# KiCad board 5x5x2.kicad_pcb (continued)
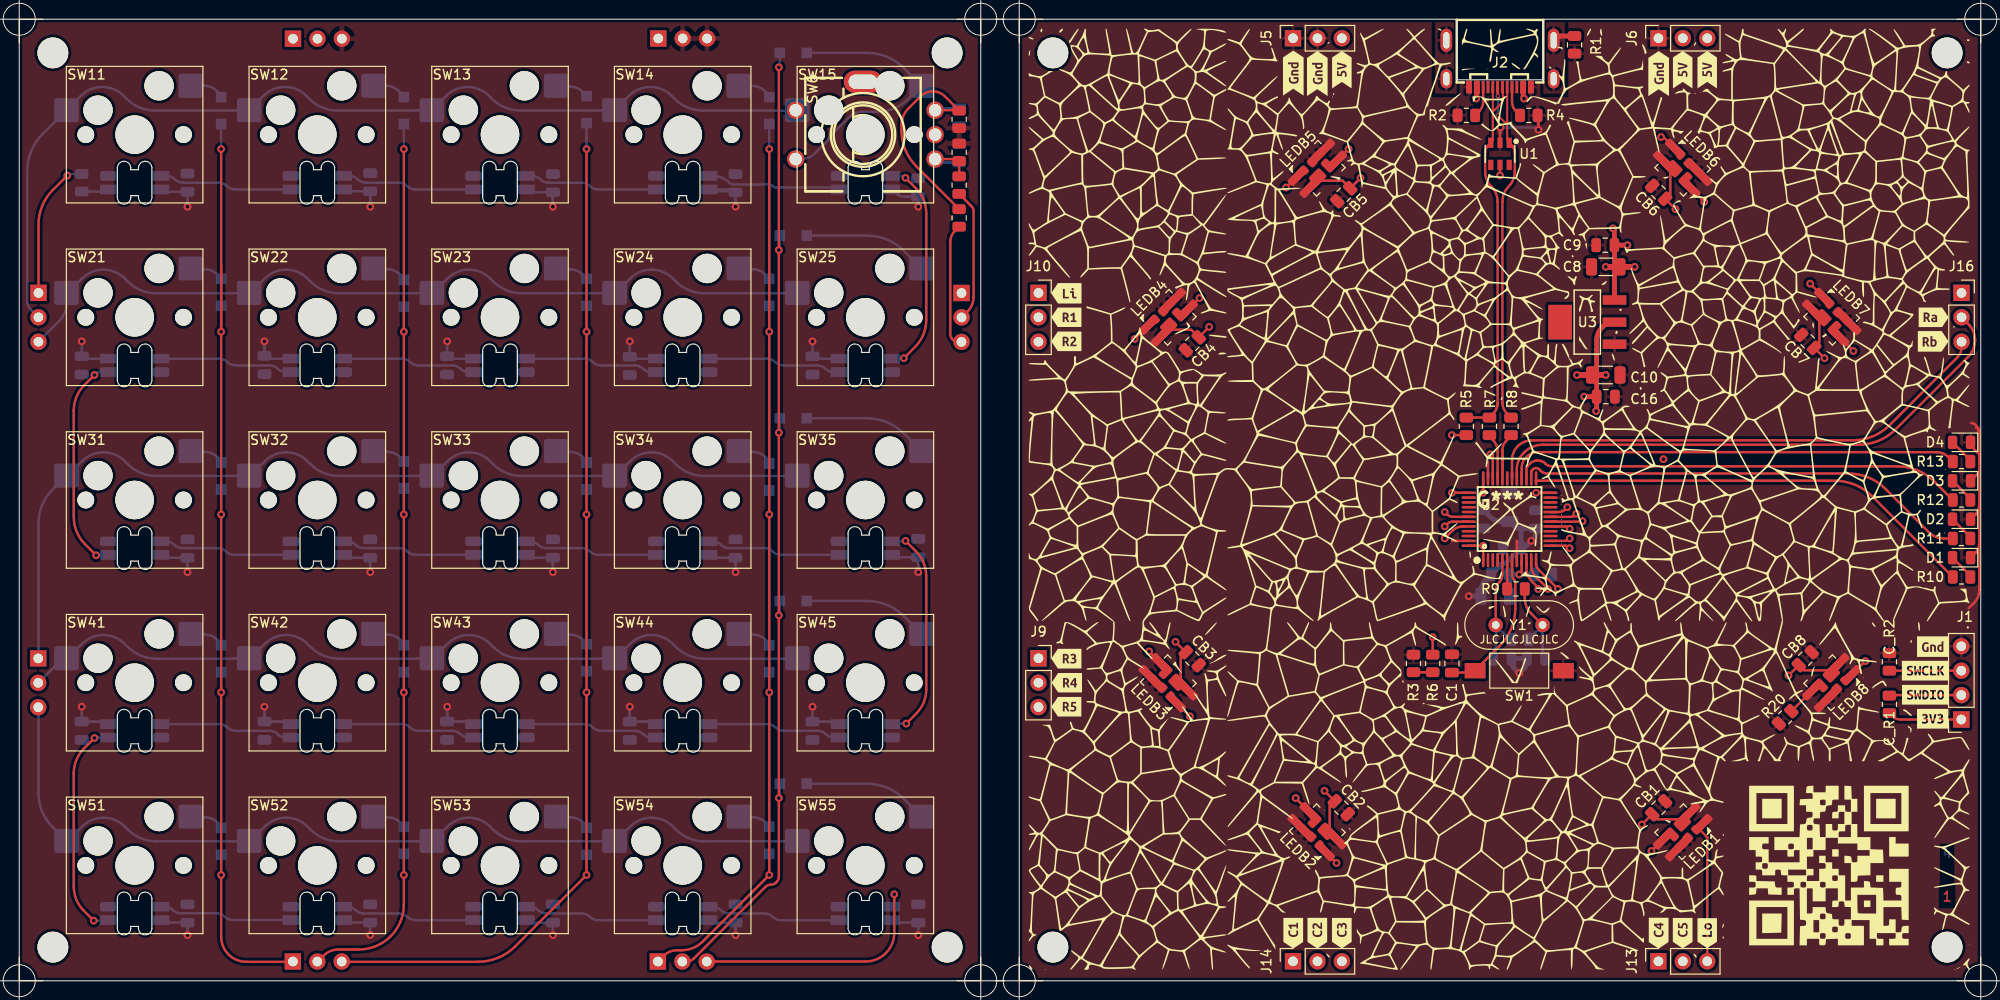
[diagram p0: board, top side]
## Nets (continued)
Net-(D52-Pad2): D52.2 SW52.2
Net-(D53-Pad2): D53.2 SW53.2
Net-(D54-Pad2): D54.2 SW54.2
Net-(D55-Pad2): D55.2 SW55.2
Net-(J2-PadA5): J2.A5 R4.2
Net-(J2-PadB5): J2.B5 R2.2
Net-(LED11-Pad2): LED11.2 LED12.4
Net-(LED11-Pad4): LED11.4 R19.1
Net-(LED12-Pad2): LED12.2 LED13.4
Net-(LED13-Pad2): LED13.2 LED14.4
Net-(LED14-Pad2): LED14.2 LED15.4
Net-(LED15-Pad2): LED15.2 LED25.4
Net-(LED21-Pad2): LED21.2 LED31.4
Net-(LED21-Pad4): LED21.4 LED22.2
Net-(LED22-Pad4): LED22.4 LED23.2
Net-(LED23-Pad4): LED23.4 LED24.2
Net-(LED24-Pad4): LED24.4 LED25.2
Net-(LED31-Pad2): LED31.2 LED32.4
Net-(LED32-Pad2): LED32.2 LED33.4
Net-(LED33-Pad2): LED33.2 LED34.4
Net-(LED34-Pad2): LED34.2 LED35.4
Net-(LED35-Pad2): LED35.2 LED45.4
Net-(LED41-Pad2): LED41.2 LED51.4
Net-(LED41-Pad4): LED41.4 LED42.2
Net-(LED42-Pad4): LED42.4 LED43.2
Net-(LED43-Pad4): LED43.4 LED44.2
Net-(LED44-Pad4): LED44.4 LED45.2
Net-(LED51-Pad2): LED51.2 LED52.4
Net-(LED52-Pad2): LED52.2 LED53.4
Net-(LED53-Pad2): LED53.2 LED54.4
Net-(LED54-Pad2): LED54.2 LED55.4
Net-(LEDB1-Pad1): LEDB1.1 LEDB2.3
Net-(LEDB2-Pad1): LEDB2.1 LEDB3.3
Net-(LEDB3-Pad1): LEDB3.1 LEDB4.3
Net-(LEDB4-Pad1): LEDB4.1 LEDB5.3
Net-(LEDB5-Pad1): LEDB5.1 LEDB6.3
Net-(LEDB6-Pad1): LEDB6.1 LEDB7.3
Net-(LEDB7-Pad1): LEDB7.1 LEDB8.3
Net-(LEDB8-Pad1): LEDB8.1 R20.2
Net-(R3-Pad1): R3.1 R6.2
Net-(R6-Pad1): R6.1 U2.44
Net-(R7-Pad1): R7.1 U2.33
Net-(R8-Pad1): R8.1 U2.32
Net-(R9-Pad2): R9.2 U2.6
Net-(R10-Pad2): R10.2 U2.25
Net-(R11-Pad2): R11.2 U2.26
Net-(R12-Pad2): R12.2 U2.27
Net-(R13-Pad2): R13.2 U2.28

Pads without a net: J2 A8 B8; J15 1; J16 1; SW6 6 7; U1 4 6; U2 2 3 4 15 16 21 22 31 38 39 40 41 45 46; U3 4

## Via types
v1: diameter 0.8, hole 0.4, Top to Bottom, 119 vias
v2: diameter 0.45, hole 0.3, Top to Bottom, 2 vias

## Routing (per net, layer and track width the routed paths; a pad name or vN(x,y) marks a point on that pad's centre or on a via; arc(x,y) is an arc through that point)
+3V3: length 71.4
  Top w0.25: J1.1 195.64,27.17 arc(195.2,27.26) 194.83,27.5
  Top w0.254: v1(149,56.75) R5.2 ; U2.48 v1(152.25,45.25) U2.1 ; v1(152.25,50.75) U2.36 ; v1(157.75,50.75) U2.24
  Top w0.5: 164.05,60.1 164.05,61.4 ; 164.05,60.1 164.05,59.3 ; 164.05,60.1 arc(163.86,60.56) 163.4,60.75 ; 164.05,61.4 164.05,66.6 arc(164.19,67.32) 164.61,67.94 165.16,68.5 ; 164.05,61.4 arc(163.86,60.94) 163.4,60.75 ; v1(162,63) 163.22,63 ; 163.84,63 v1(165,63) ; v1(162.75,60.75) 163.4,60.75
  In2.Cu w0.254: J1.1 176.27,52.87 arc(174.75,53.89) 172.95,54.25 v1(171,54.25)
  vias: v1(164,59.25)
GND: length 66.3
  Top w0.25: 118.21,31.51 118.15,31.51 arc(117.78,31.59) 117.47,31.8 ; 133.65,16.01 133.71,16.01 ; 172.49,14.21 172.49,14.15
  Top w0.254: 203.5,57.5 203.62,57.5 arc(203.71,57.46) 203.75,57.38 203.75,56.84 arc(203.77,56.76) 203.81,56.69 ; 202.75,38.75 203.3,39.3 arc(203.7,39.9) 203.84,40.62 203.84,44.27 ; U2.47 149,45.75 ; 203.84,49.55 203.84,52.89 ; 203.84,49.55 203.84,48.27 ; 203.84,49.55 arc(203.73,48.96) 203.39,48.45 ; 203.84,52.89 arc(203.85,52.9) 203.86,52.92 ; 203.84,52.89 arc(203.84,52.89) 203.83,52.89 ; 203.84,44.27 203.84,45.55 ; 203.84,44.27 arc(203.68,44.51) 203.39,44.45 ; U2.35 152.75,54 ; 203.39,44.45 D1.1 ; 203.39,44.45 arc(203.73,44.96) 203.84,45.55 ; 203.84,45.55 203.84,48.27 ; 203,58 203.12,58 arc(203.24,57.98) 203.34,57.91 203.61,57.64 arc(203.8,57.35) 203.87,57 203.87,56.71 ; 203.87,56.71 203.87,56.54 ; 203.87,56.71 arc(203.85,56.68) 203.81,56.69 ; 203.87,56.54 203.87,53.91 ; 203.87,56.54 arc(203.86,56.62) 203.81,56.69 ; 203.87,53.91 203.87,54.72 202.94,55.66 202.94,55.75 ; 203.87,53.91 203.87,52.96 arc(203.87,52.94) 203.86,52.92 ; 203.39,48.45 D2.1 ; 203.39,48.45 arc(203.68,48.51) 203.84,48.27 ; v1(154.04,88.74) 154.02,88.72 arc(154.01,88.7) 154,88.67 U1.2 ; U2.8 155.75,45.75 ; v1(158,88.5) 158,89.85 ; 203.83,52.89 D3.1 ; 203.83,52.89 203.86,52.92
  Bottom w0.254: v1(154.04,88.74) 157.59,88.74 arc(157.74,88.71) 157.88,88.62 v1(158,88.5)
  Bottom w0.5: v1(150.75,40) 151.41,40 arc(151.85,40.18) 152.03,40.61 arc(152.14,41.18) 152.46,41.66 arc(152.46,41.66) 152.46,41.66 152.53,41.73 arc(152.53,41.73) 152.53,41.73 152.55,41.75 arc(152.55,41.75) 152.55,41.75 152.64,41.84 arc(152.64,41.84) 152.64,41.84 152.7,41.9 arc(152.7,41.9) 152.7,41.9 152.81,42.01 ; 156.44,47.05 155.96,47.05 ; 156.44,47.05 157.35,47.05 arc(157.63,46.93) 157.75,46.65 157.75,46.6 arc(157.69,46.28) 157.5,46 v1(157.25,45.75) 156.61,45.11 arc(156.49,45.03) 156.35,45 ; 156.44,47.05 arc(156.27,46.98) 156.2,46.81 ; 155.96,47.05 arc(156.13,46.98) 156.2,46.81 ; 155.96,47.05 arc(155.74,47.09) 155.56,47.22 155.36,47.41 arc(154.96,47.68) 154.49,47.78 154.21,47.78 arc(153.48,47.92) 152.87,48.33 C4.2 ; 156.09,44.89 154.77,43.57 arc(154.61,43.46) 154.42,43.42 arc(154.24,43.39) 154.08,43.28 153.29,42.49 ; 156.2,46.81 156.2,45.15 ; v1(156,32) 155.45,32.55 arc(155.26,32.83) 155.2,33.15 arc(155.3,33.4) 155.55,33.5 156.45,33.5 arc(156.7,33.4) 156.8,33.15 arc(156.74,32.83) 156.55,32.55 v1(156,32)
/SHIELD: length 2
  Top w0.5: R1.2 160.34,98.25 arc(160.05,98.19) 159.8,98.03
/~RESET: length 15.4
  Top w0.254: U2.7 155.25,42.18 arc(155.29,41.96) 155.42,41.77 arc(155.54,41.59) 155.59,41.36 155.59,38.72 arc(155.17,36.63) 154,34.87 151.95,32.82 arc(151.09,32.25) 150.09,32.05 C1.1
BACKLIGHTIN: length 87.9
  Top w0.25: J8.1 2,78.63 arc(2.39,80.59) 3.5,82.25 v1(5,83.75)
  Top w0.254: U2.17 160.82,47.25 arc(160.99,47.22) 161.12,47.12 v1(161.25,47)
  In2.Cu w0.254: v1(161.25,47) 160.49,47 arc(159.78,46.86) 159.18,46.46 156.32,43.59 arc(154.55,42.41) 152.47,42 132.33,42 arc(130.25,42.41) 128.49,43.59 108.77,63.31 arc(107.59,65.07) 107.18,67.16 107.18,69.53 arc(107.02,70.3) 106.59,70.95
  Bottom w0.25: v1(5,83.75) 5.08,83.83 arc(5.17,83.89) 5.28,83.91 R19.2
BACKLIGHTOUT: length 40.7
  Top w0.25: J11.3 88.01,2 arc(89.16,2.23) 90.12,2.88 arc(90.77,3.84) 91,4.99 v1(91,9) ; J13.3 175.56,14.92 LEDB1.3
  Bottom w0.25: v1(91,9) 91,8.13 arc(90.97,7.96) 90.88,7.82
COL1: length 175.5
  Top w0.25: v1(21,67.5) 21,74.5 ; 28.47,1.97 23.6,1.97 arc(22.61,2.17) 21.76,2.74 arc(21.2,3.58) 21,4.58 v1(21,11) v1(21,48.5) v1(21,86.5)
  Top w0.254: v1(162.58,47.8) 162.55,47.78 arc(162.52,47.76) 162.49,47.75 U2.18
  In1.Cu w0.254: v1(162.58,47.8) 163.74,46.65 arc(164.6,45.36) 164.9,43.85 164.9,41.4 arc(164.49,39.32) 163.31,37.56 144.64,18.89 arc(142.88,17.71) 140.8,17.3 139.95,17.3 arc(137.87,16.89) 136.11,15.71 134.07,13.67 arc(132.89,11.9) 132.47,9.82 J14.1
  Bottom w0.25: v1(21,48.5) D31.1 ; v1(21,86.5) D11.1 ; v1(21,30) D41.1 ; v1(21,11) D51.1 ; v1(21,67.5) D21.1
COL2: length 169.7
  Top w0.25: 31.02,1.97 31.65,2.61 arc(32.36,3.08) 33.19,3.25 35.31,3.25 arc(37.1,3.61) 38.62,4.62 arc(39.64,6.15) 40,7.94 v1(40,11) v1(40,30) v1(40,67.5) v1(40,86.5)
  Top w0.254: v1(161.94,48.57) 161.78,48.41 arc(161.6,48.29) 161.39,48.25 U2.19
  In1.Cu w0.254: v1(161.94,48.57) 162.58,48.57 arc(163.18,48.45) 163.68,48.12 165.06,46.74 arc(166.24,44.97) 166.66,42.89 166.66,41.76 arc(166.24,39.68) 165.06,37.91 144.83,17.68 arc(143.06,16.5) 140.98,16.09 140.62,16.09 arc(138.54,15.67) 136.78,14.49 135.74,13.46 arc(134.56,11.7) 134.15,9.61 134.15,3.5 arc(134.26,2.94) 134.58,2.46
  Bottom w0.25: v1(40,11) D52.1 ; v1(40,30) D42.1 ; v1(40,48.5) D32.1 ; v1(40,67.5) D22.1 ; v1(40,86.5) D12.1
COL3: length 188
  Top w0.25: v1(59,86.5) v1(59,11) 51.57,3.57 arc(49.8,2.39) 47.72,1.97 33.56,1.97
  Top w0.254: U2.20 160.15,48.75 arc(160.47,48.81) 160.75,49 v1(161,49.25)
  In1.Cu w0.254: J14.3 136.33,3.25 arc(135.42,4.61) 135.1,6.22 135.1,10.26 arc(135.44,11.96) 136.4,13.4 arc(137.84,14.36) 139.54,14.7 141.85,14.7 arc(143.93,15.11) 145.69,16.29 166.91,37.51 arc(168.09,39.27) 168.5,41.35 168.5,42.45 arc(168.09,44.53) 166.91,46.29 164.91,48.29 arc(163.79,49.04) 162.47,49.3 161.08,49.3 arc(161.05,49.29) 161.02,49.27 v1(161,49.25)
  Bottom w0.25: v1(59,86.5) D13.1 ; v1(59,11) D53.1 ; v1(59,67.5) D23.1 ; v1(59,48.5) D33.1 ; v1(59,30) D43.1
COL4: length 181.6
  Top w0.25: v1(78,86.5) v1(78,30) v1(78,11) 71.09,4.09 arc(70.08,3.41) 68.88,3.17 68.43,3.17 arc(67.66,3.02) 67.01,2.59
  Top w0.254: v1(148.25,48.75) 148.5,48.5 arc(148.78,48.31) 149.1,48.25 U2.42
  In1.Cu w0.254: v1(148.25,48.75) 149.62,50.12 arc(149.69,50.19) 149.77,50.27 arc(149.85,50.34) 149.93,50.41 150.01,50.48 arc(150.18,50.62) 150.35,50.74 arc(150.53,50.86) 150.72,50.98 arc(150.9,51.08) 151.1,51.17 arc(151.29,51.26) 151.49,51.34 arc(151.7,51.41) 151.9,51.47 arc(152.11,51.52) 152.32,51.56 arc(152.54,51.59) 152.75,51.62 arc(152.96,51.63) 153.18,51.64 166.31,51.64 arc(168.39,51.22) 170.16,50.04 172.66,47.54 arc(173.84,45.78) 174.25,43.69 174.25,1.53 arc(174.2,1.27) 174.05,1.05 arc(173.83,0.9) 173.56,0.85 172.07,0.85 arc(171.68,0.92) 171.36,1.14 171.06,1.44
  Bottom w0.25: v1(78,67.5) D24.1 ; v1(78,30) D44.1 ; v1(78,11) D54.1 ; v1(78,48.5) D34.1 ; v1(78,86.5) D14.1
COL5: length 179.3
  Top w0.25: v1(79,95) 79,10.85 arc(78.94,10.53) 78.75,10.25 78.73,10.23 arc(78.47,10.06) 78.17,10 arc(77.86,9.94) 77.61,9.77 70.15,2.31 arc(69.81,2.08) 69.4,2
  Top w0.254: U2.43 149.1,47.75 arc(148.78,47.69) 148.5,47.5 v1(148.25,47.25)
  In1.Cu w0.254: J13.2 173.01,44.23 arc(172.6,46.31) 171.42,48.08 170.39,49.11 arc(168.63,50.29) 166.55,50.7 160.98,50.7 arc(158.9,50.29) 157.13,49.11 156.87,48.84 arc(155.11,47.66) 153.02,47.25 v1(148.25,47.25)
  Bottom w0.25: D15.1 79.1,95.17 arc(79.09,95.11) 79.05,95.05 v1(79,95) ; D25.1 79.1,76.17 arc(79.09,76.11) 79.05,76.05 v1(79,76) ; D55.1 79.1,19.17 arc(79.09,19.11) 79.05,19.05 v1(79,19) ; v1(79,38) 79.05,38.05 arc(79.09,38.11) 79.1,38.17 D45.1 ; v1(79,57) 79.05,57.05 arc(79.09,57.11) 79.1,57.17 D35.1
ROTA: length 71.5
  Top w0.25: J15.2 98.62,69.61 arc(99.09,70.3) 99.25,71.12 99.25,80.06 arc(99.2,80.31) 99.06,80.53 98.86,80.72 arc(98.83,80.76) 98.79,80.8 R18.1
  Top w0.254: U2.29 155.75,53.21 arc(155.93,54.1) 156.43,54.85 156.54,54.96 arc(157.41,55.55) 158.44,55.75 191.3,55.75 arc(193.38,56.16) 195.14,57.34 202.64,64.84 arc(202.69,64.89) 202.75,64.95 arc(202.8,65.01) 202.85,65.07 202.9,65.13 arc(202.99,65.26) 203.07,65.39 arc(203.15,65.53) 203.21,65.68 arc(203.27,65.82) 203.32,65.98 arc(203.35,66.13) 203.38,66.29 203.39,66.36 arc(203.4,66.44) 203.4,66.52 203.4,66.59 arc(203.4,66.6) 203.4,66.61 arc(203.4,66.61) 203.4,66.62 203.4,66.69 arc(203.4,66.77) 203.39,66.84 203.38,66.92 arc(203.35,67.08) 203.32,67.23 arc(203.27,67.38) 203.22,67.52 arc(203.15,67.67) 203.08,67.8 arc(203,67.94) 202.9,68.06 202.86,68.13 arc(202.81,68.19) 202.75,68.24 arc(202.7,68.3) 202.64,68.36 J16.2
ROTB: length 66.6
  Top w0.25: R15.1 97.29,77.96 arc(96.95,77.45) 96.83,76.85 96.83,67.26 arc(96.89,66.95) 97.07,66.68 arc(97.33,66.51) 97.64,66.44
  Top w0.254: U2.30 155.25,54.15 arc(155.41,54.94) 155.85,55.6 arc(156.52,56.05) 157.3,56.2 190.68,56.2 arc(192.76,56.62) 194.53,57.8 201.58,64.85 arc(201.89,65.31) 202,65.86
ROTD: length 177.1
  Top w0.254: U2.10 156.75,42.93 arc(156.9,42.17) 157.33,41.52 157.94,40.92 arc(157.97,40.87) 157.98,40.8 v1(157.98,40.74)
  In2.Cu w0.254: v1(157.98,40.74) 157.24,39.99 arc(156.41,39.44) 155.44,39.25 133.21,39.25 arc(131.12,39.66) 129.36,40.84 105.14,65.06 arc(104.67,65.77) 104.5,66.6 arc(104.67,67.43) 105.14,68.14 J10.2
  Bottom w0.25: SW11.1 2.42,88.04 arc(1.24,86.28) 0.83,84.2 0.83,70.64 arc(0.91,70.21) 1.16,69.84 J8.2 ; 80.87,90.5 71.13,90.5 arc(69.52,90.82) 68.16,91.73 67.84,92.04 arc(66.83,92.72) 65.63,92.96 arc(64.43,92.72) 63.42,92.04 63.1,91.73 arc(61.74,90.82) 60.13,90.5 52.13,90.5 arc(50.52,90.82) 49.16,91.73 48.84,92.04 arc(47.83,92.72) 46.63,92.96 arc(45.43,92.72) 44.42,92.04 44.1,91.73 arc(42.74,90.82) 41.13,90.5 33.13,90.5 arc(31.52,90.82) 30.16,91.73 29.84,92.04 arc(28.83,92.72) 27.63,92.96 arc(26.43,92.72) 25.42,92.04 25.1,91.73 arc(23.74,90.82) 22.13,90.5 14.13,90.5 arc(12.52,90.82) 11.16,91.73 10.84,92.04 arc(9.83,92.72) 8.63,92.96 arc(7.43,92.72) 6.42,92.04 4.87,90.5
ROTE: length 27.5
  Bottom w0.25: D15.2 88.17,96.5 arc(90.25,96.09) 92.02,94.91 92.49,94.43 arc(93.05,93.08) 92.49,91.73 arc(90.99,90.73) 89.22,90.37 87.67,90.37 arc(86.94,90.23) 86.31,89.81 84.24,87.74 arc(84.19,87.66) 84.17,87.58 arc(84.15,87.49) 84.1,87.42 82.68,85.99 arc(82.13,85.63) 81.49,85.5
ROW2: length 154.3
  Top w0.254: U2.11 157.25,43.12 arc(157.37,42.54) 157.69,42.05 v1(159,40.75)
  In2.Cu w0.254: v1(159,40.75) 159,41.12 arc(158.89,41.39) 158.62,41.5 132.19,41.5 arc(130.11,41.91) 128.34,43.09 106.36,65.08 arc(106.09,65.48) 106,65.95
  Bottom w0.25: 81,71.5 71.25,71.5 arc(69.64,71.82) 68.28,72.73 67.97,73.04 arc(66.95,73.72) 65.76,73.96 arc(64.56,73.72) 63.54,73.04 63.23,72.73 arc(61.87,71.82) 60.26,71.5 52.25,71.5 arc(50.64,71.82) 49.28,72.73 48.97,73.04 arc(47.95,73.72) 46.76,73.96 arc(45.56,73.72) 44.54,73.04 44.23,72.73 arc(42.87,71.82) 41.26,71.5 33.25,71.5 arc(31.64,71.82) 30.28,72.73 29.97,73.04 arc(28.95,73.72) 27.76,73.96 arc(26.56,73.72) 25.54,73.04 25.23,72.73 arc(23.87,71.82) 22.26,71.5 14.25,71.5 arc(12.64,71.82) 11.28,72.73 10.97,73.04 arc(9.95,73.72) 8.76,73.96 arc(7.56,73.72) 6.54,73.04 5,71.5 ; J8.3 4.15,68.61 arc(4.72,69.46) 4.91,70.46
ROW3: length 162.3
  Top w0.254: v1(160.02,40.75) 158.01,42.77 arc(157.82,43.05) 157.75,43.39
  In1.Cu w0.254: v1(160.02,40.75) 160.02,40.18 arc(159.99,40.04) 159.91,39.91 arc(159.79,39.83) 159.64,39.8 154.55,39.8 arc(152.47,39.39) 150.71,38.21 147.62,35.12 arc(145.85,33.94) 143.77,33.52 106.03,33.52
  Bottom w0.25: SW31.1 3.46,51.08 arc(2.38,49.47) 2,47.56 2,33.54 ; 5,52.5 6.54,54.04 arc(7.56,54.72) 8.76,54.96 arc(9.95,54.72) 10.97,54.04 11.28,53.73 arc(12.64,52.82) 14.25,52.5 22.26,52.5 arc(23.87,52.82) 25.23,53.73 25.54,54.04 arc(26.56,54.72) 27.76,54.96 arc(28.95,54.72) 29.97,54.04 30.28,53.73 arc(31.64,52.82) 33.25,52.5 41.26,52.5 arc(42.87,52.82) 44.23,53.73 44.54,54.04 arc(45.56,54.72) 46.76,54.96 arc(47.95,54.72) 48.97,54.04 49.28,53.73 arc(50.64,52.82) 52.25,52.5 60.26,52.5 arc(61.87,52.82) 63.23,53.73 63.54,54.04 arc(64.56,54.72) 65.76,54.96 arc(66.95,54.72) 67.97,54.04 68.28,53.73 arc(69.64,52.82) 71.25,52.5 81,52.5
ROW4: length 150.4
  Top w0.254: U2.13 160.79,45.25 arc(160.96,45.22) 161.1,45.12 v1(161.24,44.99)
  In1.Cu w0.254: J9.2 142.65,31 arc(144.73,31.41) 146.49,32.59 151.01,37.11 arc(152.77,38.29) 154.85,38.7 158.61,38.7 arc(159.62,38.9) 160.47,39.47 arc(161.04,40.32) 161.24,41.32 v1(161.24,44.99)
  Bottom w0.25: 4.41,33.41 2,31 ; 5,33.5 6.54,35.04 arc(7.56,35.72) 8.76,35.96 arc(9.95,35.72) 10.97,35.04 11.28,34.73 arc(12.64,33.82) 14.25,33.5 22.26,33.5 arc(23.87,33.82) 25.23,34.73 25.54,35.04 arc(26.56,35.72) 27.76,35.96 arc(28.95,35.72) 29.97,35.04 30.28,34.73 arc(31.64,33.82) 33.25,33.5 41.26,33.5 arc(42.87,33.82) 44.23,34.73 44.54,35.04 arc(45.56,35.72) 46.76,35.96 arc(47.95,35.72) 48.97,35.04 49.28,34.73 arc(50.64,33.82) 52.25,33.5 60.26,33.5 arc(61.87,33.82) 63.23,34.73 63.54,35.04 arc(64.56,35.72) 65.76,35.96 arc(66.95,35.72) 67.97,35.04 68.28,34.73 arc(69.64,33.82) 71.25,33.5 81,33.5
ROW5: length 166.3
  Top w0.254: U2.14 160.82,45.75 arc(160.99,45.78) 161.12,45.88 v1(161.25,46)
  In1.Cu w0.254: v1(161.25,46) 162.07,45.17 arc(162.69,44.26) 162.9,43.18 162.9,41.07 arc(162.49,38.99) 161.31,37.23 159.97,35.89 arc(158.21,34.71) 156.13,34.3 152.02,34.3 arc(149.94,33.89) 148.17,32.71 145.76,30.29 arc(143.99,29.11) 141.91,28.7 106.41,28.7
  Bottom w0.25: 2,28.46 2,19.52 arc(2.38,17.61) 3.46,16 SW51.1 ; 5,14.5 6.54,16.04 arc(7.56,16.72) 8.76,16.96 arc(9.95,16.72) 10.97,16.04 11.28,15.73 arc(12.64,14.82) 14.25,14.5 22.26,14.5 arc(23.87,14.82) 25.23,15.73 25.54,16.04 arc(26.56,16.72) 27.76,16.96 arc(28.95,16.72) 29.97,16.04 30.28,15.73 arc(31.64,14.82) 33.25,14.5 41.26,14.5 arc(42.87,14.82) 44.23,15.73 44.54,16.04 arc(45.56,16.72) 46.76,16.96 arc(47.95,16.72) 48.97,16.04 49.28,15.73 arc(50.64,14.82) 52.25,14.5 60.26,14.5 arc(61.87,14.82) 63.23,15.73 63.54,16.04 arc(64.56,16.72) 65.76,16.96 arc(66.95,16.72) 67.97,16.04 68.28,15.73 arc(69.64,14.82) 71.25,14.5 81,14.5
USBDN: length 39.1
  Top w0.2: v2(153.77,90) 154.49,89.28 arc(154.66,89.25) 154.75,89.39 ; 154.75,89.39 154.75,87.49 arc(154.78,87.36) 154.85,87.25 ; 154.75,89.39 154.75,92.47 ; v2(153.77,92) 153.76,92.01 arc(153.75,92.03) 153.75,92.04 153.75,93.03
  Top w0.25: 155.03,87.08 155.1,87
  Top w0.254: 155.15,58.58 154.7,59.02 arc(154.37,59.52) 154.25,60.11 154.25,81.04 arc(154.42,81.88) 154.9,82.6 arc(155.37,83.31) 155.54,84.15 155.54,86.09 arc(155.54,86.14) 155.54,86.19 arc(155.54,86.24) 155.53,86.29 155.52,86.34 arc(155.5,86.43) 155.46,86.53 arc(155.42,86.62) 155.37,86.7 155.34,86.74 arc(155.31,86.78) 155.28,86.82 arc(155.25,86.85) 155.21,86.89 155.03,87.08
  Bottom w0.2: v2(153.77,90) v2(153.77,92)
USBDP: length 42.9
  Top w0.2: 153.25,87.95 153.25,93.03 ; 153.25,87.95 153.25,87.49 arc(153.22,87.36) 153.15,87.25 ; 153.25,87.95 153.25,90.16 arc(153.29,90.36) 153.4,90.53 154.15,91.28 arc(154.26,91.44) 154.3,91.63 154.3,92.94
  Top w0.254: 152.91,58.6 153.28,58.98 arc(153.32,59.02) 153.36,59.06 arc(153.4,59.1) 153.44,59.15 153.47,59.19 arc(153.53,59.29) 153.59,59.39 arc(153.64,59.49) 153.68,59.6 arc(153.71,59.71) 153.73,59.82 153.74,59.87 arc(153.74,59.93) 153.75,59.99 arc(153.75,60.04) 153.75,60.1 153.75,81.04 arc(153.58,81.88) 153.1,82.6 arc(152.63,83.31) 152.46,84.15 152.46,86.17 arc(152.53,86.53) 152.74,86.84 153.01,87.11 ; 152.89,58.58 150.5,58.58
Vusb: length 160.8
  Top w0.25: LEDB8.4 185.62,32.29 CB8.1 v1(184,31.75) ; v1(172.25,80.25) CB6.1 171.71,81.87 LEDB6.4 ; LEDB4.4 121.88,67.71 CB4.1 v1(123.75,68) ; v1(120.25,35.25) CB3.1 120.79,33.63 LEDB3.4 ; v1(154,83.75) U1.5 ; v1(168.75,16.25) CB1.1 170.37,16.79 LEDB1.4 ; LEDB2.4 136.29,18.13 CB2.1 v1(135.75,19.75) ; v1(139.5,83.5) CB5.1 137.63,83.21 LEDB5.4 ; LEDB7.4 187.21,66.37 CB7.1 v1(187.75,64.75)
  Top w0.5: 166.16,74.25 v1(165,74.25) ; 151.59,93.03 151.59,91.86 arc(151.58,91.82) 151.56,91.78 v1(151.53,91.75) ; v1(168,74.25) 166.78,74.25 ; 165.9,78.1 165.9,77.17 arc(166.1,76.7) 166.57,76.5 v1(167.25,76.5) ; 156.41,93.03 156.41,91.9 arc(156.42,91.84) 156.46,91.8 v1(156.5,91.75) ; U3.3 165.91,76.49
  Bottom w0.25: 47,26.95 45.28,26.95 arc(44.73,27.18) 44.5,27.72 v1(44.5,28.5) 44.5,27 ; v1(25.5,66.5) 25.5,65.37 ; 53,6.05 54.85,6.05 arc(55.31,5.86) 55.5,5.4 v1(55.5,4.75) ; 66,26.95 64.03,26.95 arc(63.65,27.1) 63.5,27.47 v1(63.5,28.5) ; 71.95,82.1 74.5,82.1 ; v1(93.5,4.75) 93.5,5.4 arc(93.31,5.86) 92.85,6.05 91,6.05 ; v1(36.5,4.76) 36.5,5.41 arc(36.31,5.86) 35.86,6.05 34,6.05 ; 72,6.05 73.85,6.05 arc(74.31,5.86) 74.5,5.4 v1(74.5,4.75) ; v1(25.5,28.5) 25.5,27.6 arc(25.69,27.14) 26.15,26.95 28,26.95 ; 15,6.05 16.85,6.05 arc(17.31,5.86) 17.5,5.4 v1(17.5,4.75) ; v1(6.5,28.5) 6.5,27.72 arc(6.73,27.18) 7.27,26.95 9,26.95 ; v1(82.5,66.5) 82.5,65 ; 72.05,44 73.75,44 arc(74.28,43.78) 74.5,43.25 ; 85,26.95 C45.1 ; LED23.1 44.75,64.7 ; 36.5,82.05 v1(36.5,80.5) 36.5,82 ; 55.5,44.05 v1(55.5,42.5) 55.5,43.25 arc(55.28,43.78) 54.75,44 53.05,44 ; 33.95,82.1 C12.2 ; 74.5,43.25 v1(74.5,42.5) ; 74.5,43.25 74.5,44.05 ; LED14.1 74.2,82.3 ; v1(93.5,42.5) 93.5,43.28 arc(93.27,43.82) 92.72,44.05 91,44.05 ; v1(63.5,66.5) 63.5,64.95 ; C14.2 v1(74.5,80.5) 74.5,82.05 ; 34.26,44 35.75,44 arc(36.28,43.78) 36.5,43.25 v1(36.5,42.5) ; 15.05,44 16.75,44 arc(17.28,43.78) 17.5,43.25 v1(17.5,42.5) ; 53.05,82 54.75,82 arc(55.28,81.78) 55.5,81.25 v1(55.5,80.5) 55.5,82.05 ; 44.5,65 v1(44.5,66.5) C23.1 ; v1(93.5,80.5) 93.5,81.03 arc(93.35,81.4) 92.97,81.55 92.03,81.55 arc(91.54,81.65) 91.12,81.92 ; v1(6.5,66.5) C21.1 ; v1(82.5,28.5) 82.5,27 ; LED21.1 6.75,64.7 ; v1(17.5,80.5) 17.5,82 ; LED24.1 63.7,64.7 ; 25.8,64.7 LED22.1 ; 15,82.05 C11.2 ; LED25.1 82.75,64.7
  vias: v1(165.75,78.25)
Net-(C6-Pad1): length 6.4
  Top w0.254: v1(156,42.25) 156.12,42.38 arc(156.22,42.51) 156.25,42.68 U2.9
  Bottom w0.5: L1.2 v1(156,42.25) 154.97,42.25 ; 154.97,42.21 C6.1
Net-(C17-Pad2): length 11
  Top w0.254: Y1.1 153.55,40.58 arc(153.64,41.04) 153.9,41.43 arc(154.16,41.82) 154.25,42.27 U2.5
  Bottom w0.254: 155.01,35.54 154.3,36.25 arc(153.82,36.35) 153.55,35.94 153.55,33.93
Net-(C18-Pad2): length 8.4
  Top w0.254: R9.1 156.57,39.8 arc(156.75,38.93) 157.24,38.19 Y1.2
  Bottom w0.254: 157.02,35.59 157.72,36.28 arc(158.17,36.38) 158.43,35.99 158.43,33.96
Net-(C19-Pad1): length 24.2
  Top w0.25: 97.73,90.52 96.28,91.97 arc(95.69,92.36) 95,92.5 arc(94.31,92.36) 93.72,91.97 92.47,90.72 arc(91.94,89.92) 91.75,88.98 91.75,88.44 arc(92.15,86.42) 93.3,84.7 R15.2 ; 97.68,90.54 SW6.B
  Bottom w0.25: 95.61,90.75 C19.1
Net-(C20-Pad1): length 5.4
  Top w0.25: 97.75,85.1 R18.2 ; 97.39,85.46 SW6.A
  Bottom w0.25: 95.9,85.1 C20.1
Net-(C_R1-Pad2): length 69.3
  Top w0.25: 194.58,29.71 J1.2
  Top w0.254: v1(153,54.75) 153.12,54.62 arc(153.22,54.49) 153.25,54.32 U2.34
  In2.Cu w0.254: v1(153,54.75) 153.14,54.89 arc(153.29,54.99) 153.47,55.02 174.41,55.02 arc(176.49,54.61) 178.26,53.43 J1.2
Net-(C_R2-Pad1): length 73.8
  Top w0.25: 194.75,32.25 J1.3
  Top w0.254: v1(149,50.75) U2.37
  In2.Cu w0.254: J1.3 180.34,53.88 arc(178.58,55.06) 176.49,55.48 152.97,55.48 arc(152.72,55.43) 152.51,55.28 149.36,52.14 arc(149.09,51.74) 149,51.26 v1(149,50.75)
Net-(D1-Pad2): length 2.5
  Top w0.254: 202.86,42.2 D1.2
Net-(D2-Pad2): length 2.5
  Top w0.254: 202.86,46.2 D2.2
Net-(D3-Pad2): length 2.5
  Top w0.254: 202.86,50.2 D3.2
Net-(D4-Pad2): length 2.5
  Top w0.254: 202.86,54.2 D4.2
Net-(D11-Pad2): length 3.5
  Bottom w0.25: 21,92.08 20.5,92.58 arc(19.95,92.95) 19.29,93.08 SW11.2
Net-(D12-Pad2): length 3.5
  Bottom w0.25: 40,92 39.46,92.54 arc(38.86,92.94) 38.16,93.08 SW12.2
Net-(D13-Pad2): length 3.5
  Bottom w0.25: 55.96,93 57.28,93 arc(57.98,92.86) 58.58,92.46 59.12,91.92
Net-(D14-Pad2): length 4.1
  Bottom w0.25: 78.18,91.9 77.59,92.49 arc(76.94,92.93) 76.17,93.08 74.52,93.08
Net-(D21-Pad2): length 3.5
  Bottom w0.25: 21.12,72.92 20.58,73.46 arc(19.98,73.86) 19.28,74 17.96,74
Net-(D22-Pad2): length 3.5
  Bottom w0.25: 36.96,74 38.28,74 arc(38.98,73.86) 39.58,73.46 40.12,72.92
Net-(D23-Pad2): length 3.5
  Bottom w0.25: 55.96,74 57.28,74 arc(57.98,73.86) 58.58,73.46 59.12,72.92
Net-(D24-Pad2): length 3.5
  Bottom w0.25: 78.12,72.92 77.58,73.46 arc(76.98,73.86) 76.28,74 74.96,74
Net-(D25-Pad2): length 13.1
  Bottom w0.25: D25.2 88.17,77.5 arc(90.25,77.09) 92.02,75.91 SW25.2
Net-(D31-Pad2): length 3.5
  Bottom w0.25: 18,55 19.31,55 arc(20.02,54.86) 20.62,54.46 21.16,53.92
Net-(D32-Pad2): length 3.5
  Bottom w0.25: 40.16,53.92 39.62,54.46 arc(39.02,54.86) 38.31,55 37,55
Net-(D33-Pad2): length 3.5
  Bottom w0.25: 56,55 57.31,55 arc(58.02,54.86) 58.62,54.46 59.16,53.92
Net-(D34-Pad2): length 3.5
  Bottom w0.25: 78.16,53.92 77.62,54.46 arc(77.02,54.86) 76.31,55 75,55
Net-(D35-Pad2): length 13.1
  Bottom w0.25: SW35.2 92.02,56.91 arc(90.25,58.09) 88.17,58.5 D35.2
Net-(D41-Pad2): length 3.5
  Bottom w0.25: 21.16,34.92 20.62,35.46 arc(20.02,35.86) 19.31,36 18,36
Net-(D42-Pad2): length 3.5
  Bottom w0.25: 37,36 38.31,36 arc(39.02,35.86) 39.62,35.46 40.16,34.92
Net-(D43-Pad2): length 3.5
  Bottom w0.25: 59.16,34.92 58.62,35.46 arc(58.02,35.86) 57.31,36 56,36
Net-(D44-Pad2): length 3.5
  Bottom w0.25: 75,36 76.31,36 arc(77.02,35.86) 77.62,35.46 78.16,34.92
Net-(D45-Pad2): length 13.1
  Bottom w0.25: SW45.2 92.02,37.91 arc(90.25,39.09) 88.17,39.5 D45.2
Net-(D51-Pad2): length 3.5
  Bottom w0.25: 21.16,15.92 20.62,16.46 arc(20.02,16.86) 19.31,17 18,17
Net-(D52-Pad2): length 3.5
  Bottom w0.25: 40.16,15.92 39.62,16.46 arc(39.02,16.86) 38.31,17 37,17
Net-(D53-Pad2): length 3.5
  Bottom w0.25: 56,17 57.31,17 arc(58.02,16.86) 58.62,16.46 59.16,15.92
Net-(D54-Pad2): length 3.5
  Bottom w0.25: 75,17 76.31,17 arc(77.02,16.86) 77.62,16.46 78.16,15.92
Net-(D55-Pad2): length 13.1
  Bottom w0.25: D55.2 88.17,20.5 arc(90.25,20.09) 92.02,18.91 SW55.2
Net-(J2-PadA5): length 3.3
  Top w0.25: 155.25,93.03 155.25,91.43 arc(155.36,90.88) 155.67,90.42 R4.2
Net-(J2-PadB5): length 3.3
  Top w0.25: 152.25,93.03 152.25,91.43 arc(152.14,90.88) 151.83,90.42 R2.2
Net-(LED11-Pad2): length 13.3
  Bottom w0.25: 15.36,83.7 arc(15.81,83.61) 16.2,83.35 arc(16.59,83.09) 17.04,83 20.74,83 arc(21.2,82.91) 21.59,82.65 arc(21.98,82.39) 22.43,82.3
  Bottom w0.254: 22.43,82.3 LED12.4
Net-(LED11-Pad4): length 2.4
  Bottom w0.25: 8.89,82.09 R19.1
Net-(LED12-Pad2): length 13.3
  Bottom w0.25: LED13.4 41.19,82.3 arc(40.74,82.39) 40.35,82.65 arc(39.96,82.91) 39.51,83 36.04,83 arc(35.59,83.09) 35.2,83.35 arc(34.81,83.61) 34.36,83.7
Net-(LED13-Pad2): length 13.3
  Bottom w0.25: LED14.4 60.19,82.3 arc(59.74,82.39) 59.35,82.65 arc(58.96,82.91) 58.51,83 55.04,83 arc(54.59,83.09) 54.2,83.35 arc(53.81,83.61) 53.36,83.7
Net-(LED14-Pad2): length 13.6
  Bottom w0.25: LED14.2 72.12,83.7 arc(73.08,83.51) 73.9,82.96 arc(74.05,82.86) 74.23,82.82 77.95,82.82 arc(78.16,82.78) 78.34,82.66 arc(78.52,82.54) 78.73,82.5 85.05,82.5
Net-(LED15-Pad2): length 22.9
  Top w0.25: v1(92.18,83.5) 93.25,82.42 arc(94.05,81.23) 94.33,79.82 94.33,68.73 arc(94.03,67.2) 93.16,65.91 v1(92,64.75)
  Bottom w0.25: LED15.2 91.83,83.7 arc(91.96,83.67) 92.08,83.6 v1(92.18,83.5) ; v1(92,64.75) 90.84,64.75
Net-(LED21-Pad2): length 23
  Top w0.25: v1(7.82,63) 6.75,61.92 arc(5.95,60.73) 5.67,59.32 5.67,48.23 arc(5.97,46.7) 6.84,45.41 v1(8,44.25)
  Bottom w0.25: v1(7.82,63) 7.97,63.15 arc(8.14,63.26) 8.34,63.3 LED21.2 ; 9.16,44.25 v1(8,44.25)
Net-(LED21-Pad4): length 13.3
  Bottom w0.25: 14.79,64.7 20.81,64.7 arc(21.26,64.61) 21.65,64.35 arc(22.04,64.09) 22.49,64 26.04,64 arc(26.5,63.91) 26.89,63.65 arc(27.28,63.39) 27.73,63.3
Net-(LED22-Pad4): length 13.3
  Bottom w0.25: 33.79,64.7 39.81,64.7 arc(40.26,64.61) 40.65,64.35 arc(41.04,64.09) 41.49,64 45.04,64 arc(45.5,63.91) 45.89,63.65 arc(46.28,63.39) 46.73,63.3
Net-(LED23-Pad4): length 13.3
  Bottom w0.25: 52.79,64.7 58.81,64.7 arc(59.26,64.61) 59.65,64.35 arc(60.04,64.09) 60.49,64 64.04,64 arc(64.5,63.91) 64.89,63.65 arc(65.28,63.39) 65.73,63.3
Net-(LED24-Pad4): length 13.3
  Bottom w0.25: LED24.4 77.77,64.7 arc(78.22,64.61) 78.61,64.35 arc(79,64.09) 79.46,64 83.01,64 arc(83.46,63.91) 83.85,63.65 arc(84.24,63.39) 84.69,63.3
Net-(LED31-Pad2): length 13.3
  Bottom w0.25: 15.27,45.7 arc(15.72,45.61) 16.11,45.35 arc(16.5,45.09) 16.96,45 20.66,45 arc(21.11,44.91) 21.5,44.65 arc(21.89,44.39) 22.34,44.3
  Bottom w0.254: 22.34,44.3 28.16,44.3
Net-(LED32-Pad2): length 13.3
  Bottom w0.25: 41.19,44.3 arc(40.74,44.39) 40.35,44.65 arc(39.96,44.91) 39.51,45 35.81,45 arc(35.35,45.09) 34.96,45.35 arc(34.57,45.61) 34.12,45.7
  Bottom w0.254: 41.19,44.3 47.01,44.3
Net-(LED33-Pad2): length 13.3
  Bottom w0.25: 53.12,45.7 arc(53.57,45.61) 53.96,45.35 arc(54.35,45.09) 54.81,45 58.51,45 arc(58.96,44.91) 59.35,44.65 arc(59.74,44.39) 60.19,44.3
  Bottom w0.254: 60.19,44.3 66.01,44.3
Net-(LED34-Pad2): length 13.3
  Bottom w0.25: 79.19,44.3 arc(78.74,44.39) 78.35,44.65 arc(77.96,44.91) 77.51,45 73.81,45 arc(73.35,45.09) 72.96,45.35 arc(72.57,45.61) 72.12,45.7
  Bottom w0.254: 79.19,44.3 85.01,44.3
Net-(LED35-Pad2): length 23.3
  Top w0.25: v1(92.25,26.75) 93.29,27.79 arc(94.06,28.94) 94.33,30.3 94.33,42.07 arc(94.05,43.48) 93.25,44.67 v1(92.18,45.75)
  Bottom w0.25: LED35.2 92.09,45.7 arc(92.12,45.71) 92.15,45.72 v1(92.18,45.75) ; 90.84,26.75 v1(92.25,26.75)
Net-(LED41-Pad2): length 23.3
  Top w0.25: v1(7.82,25.25) 6.75,24.17 arc(5.95,22.98) 5.67,21.57 5.67,9.8 arc(5.94,8.44) 6.71,7.29 v1(7.75,6.25)
  Bottom w0.25: v1(7.82,25.25) 7.85,25.28 arc(7.88,25.29) 7.91,25.3 LED41.2 ; v1(7.75,6.25) 9.16,6.25
Net-(LED41-Pad4): length 13.3
  Bottom w0.25: 14.79,26.7 20.81,26.7 arc(21.26,26.61) 21.65,26.35 arc(22.04,26.09) 22.49,26 26.04,26 arc(26.5,25.91) 26.89,25.65 arc(27.28,25.39) 27.73,25.3
Net-(LED42-Pad4): length 13.3
  Bottom w0.25: 33.79,26.7 39.81,26.7 arc(40.26,26.61) 40.65,26.35 arc(41.04,26.09) 41.49,26 45.04,26 arc(45.5,25.91) 45.89,25.65 arc(46.28,25.39) 46.73,25.3
Net-(LED43-Pad4): length 13.3
  Bottom w0.25: 52.79,26.7 58.81,26.7 arc(59.26,26.61) 59.65,26.35 arc(60.04,26.09) 60.49,26 64.04,26 arc(64.5,25.91) 64.89,25.65 arc(65.28,25.39) 65.73,25.3
Net-(LED44-Pad4): length 13.3
  Bottom w0.25: 71.79,26.7 77.81,26.7 arc(78.26,26.61) 78.65,26.35 arc(79.04,26.09) 79.49,26 83.04,26 arc(83.5,25.91) 83.89,25.65 arc(84.28,25.39) 84.73,25.3
Net-(LED51-Pad2): length 13.3
  Bottom w0.25: 22.19,6.32 arc(21.74,6.41) 21.35,6.67 arc(20.96,6.93) 20.51,7.02 16.81,7.02 arc(16.35,7.11) 15.96,7.37 arc(15.57,7.63) 15.12,7.72
  Bottom w0.254: 22.19,6.32 28.01,6.32
Net-(LED52-Pad2): length 13.3
  Bottom w0.25: 34.12,7.7 arc(34.57,7.61) 34.96,7.35 arc(35.35,7.09) 35.81,7 39.51,7 arc(39.96,6.91) 40.35,6.65 arc(40.74,6.39) 41.19,6.3
  Bottom w0.254: 41.19,6.3 47.01,6.3
Net-(LED53-Pad2): length 13.3
  Bottom w0.25: 53.12,7.7 arc(53.57,7.61) 53.96,7.35 arc(54.35,7.09) 54.81,7 58.51,7 arc(58.96,6.91) 59.35,6.65 arc(59.74,6.39) 60.19,6.3
  Bottom w0.254: 60.19,6.3 66.01,6.3
Net-(LED54-Pad2): length 13.3
  Bottom w0.25: 72.12,7.7 arc(72.57,7.61) 72.96,7.35 arc(73.35,7.09) 73.81,7 77.51,7 arc(77.96,6.91) 78.35,6.65 arc(78.74,6.39) 79.19,6.3
  Bottom w0.254: 79.19,6.3 85.01,6.3
